# Altium PCB V5_BASE_V17.PcbDoc (part 2 of 2)
Units mm, origin at the board's own origin, x right, y up, seen from the top; angles counter-clockwise.
Board outline 76 x 39 mm, 4 copper layers (Top Layer, Signal Layer 1, Signal Layer 2, Bottom Layer), stack 1.183 mm thick; 141 components, 216 nets, 784 pads, 332 vias.
Unrouted connection lines stored in the file: 1.
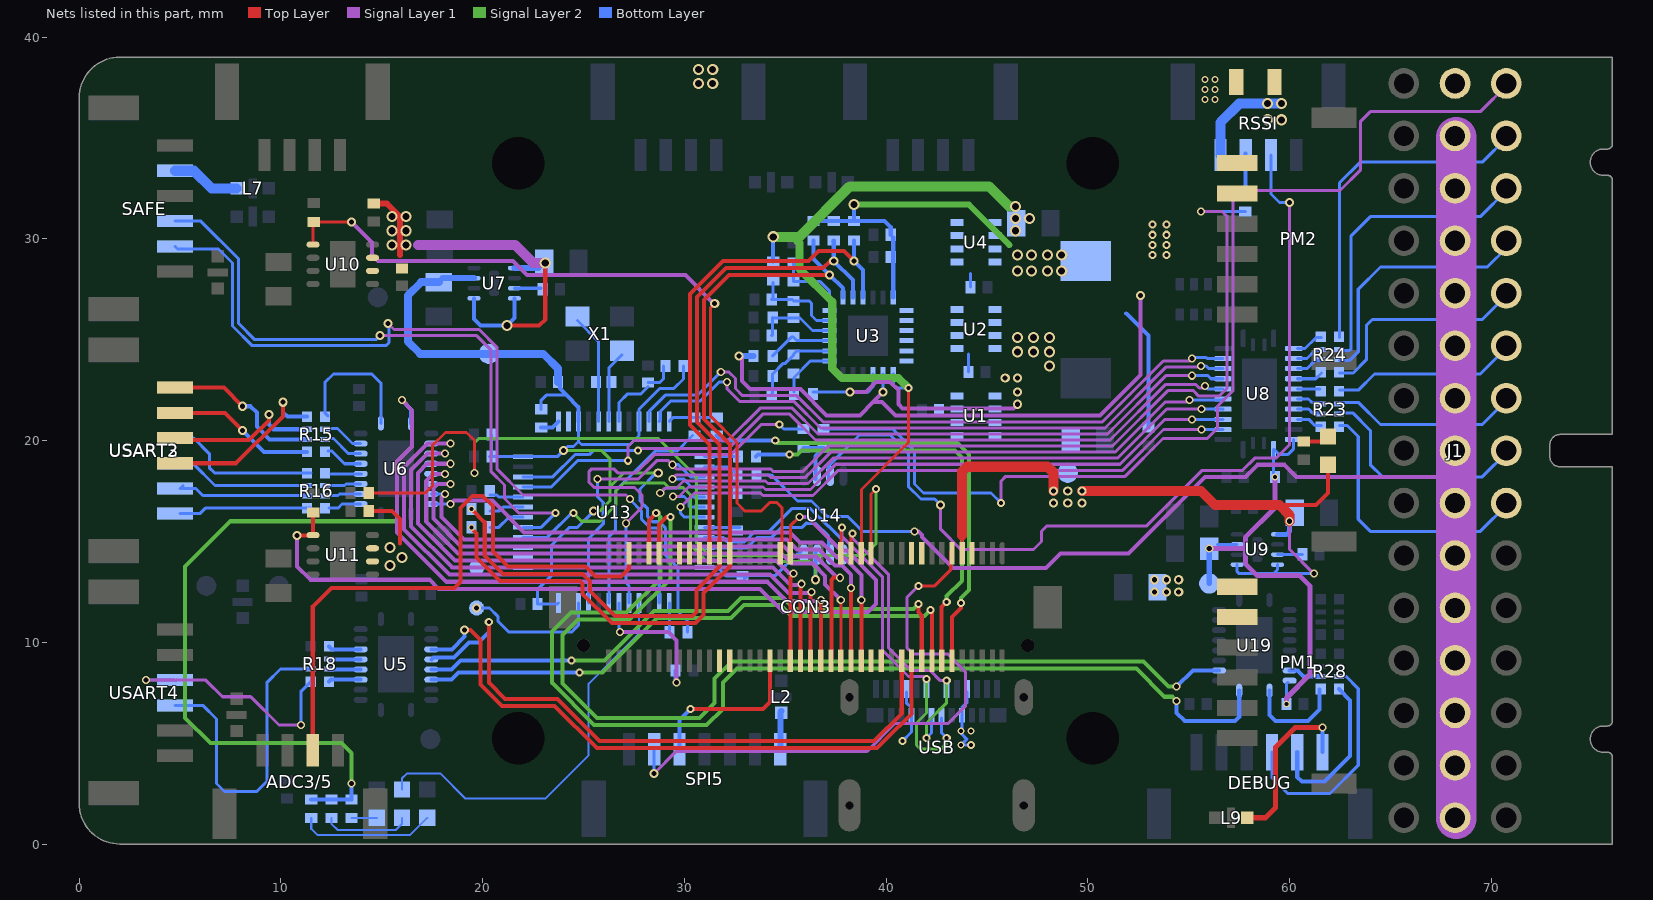
[diagram p4: the nets of this part, all layers, seen from the top]

## Via types
v1: diameter 0.4, hole 0.25, Top Layer to Bottom Layer, tented both sides, 112 vias
v2: diameter 0.45, hole 0.25, Top Layer to Bottom Layer, tented both sides, 65 vias
v3: diameter 0.55, hole 0.35, Top Layer to Bottom Layer, tented both sides, 49 vias
v4: diameter 0.35, hole 0.2, Top Layer to Bottom Layer, tented both sides, 42 vias
v5: diameter 0.4, hole 0.2, Top Layer to Bottom Layer, tented both sides, 37 vias
v6: diameter 0.4, hole 0.2, Top Layer to Bottom Layer, 23 vias
v7: diameter 0.6, hole 0.4, Top Layer to Bottom Layer, tented both sides, 4 vias

## Nets (pads, with @x,y where several pads share a name; then routed paths per layer and width w, separated by ;. In a path a pad name is that pad's centre, name@x,y a point inside that pad or via, vN(x,y) a via of type N, cw(c..) or ccw(c..) an arc to the next point about the centre after c; other vN are vias at no path point) (continued)
IO2_3V3: C17.2 C28.1 C51.2 pad.6 U8.23 U8.24 U9.7 U19.19 | length 23.4
  Signal Layer 1 w0.15: 57.639,14.639 57.8,14.8
  Signal Layer 1 w0.25: v1(56.013,14.639) 57.639,14.639 ; v4(59.275,18.2) 59.275,16.675 57.8,15.2 57.8,14.8 57.8,13.9 58.4,13.3 60.5,13.3 61,12.8 61,8.4 59.839,7.239 v4(59.839,6.936)
  Bottom Layer w0.15: C28.1@56.424,14.85 U9.7@57.4,14.85 ; C17.2@59.208,18.367 U8.24@59.208,19.553 59.247,19.553 59.5,19.3 59.9,19.3 60.199,19.599 U8.23@60.199,20.061 ; v4(59.839,6.936) 59.839,7.939 U19.19@59.905,8.005
  Bottom Layer w0.25: pad.6@56.013,12.913 v1(56.013,14.639)
IO-!RESET: C40.1 R17.1 U13.7 | length 4.2
  Bottom Layer w0.15: U13.7@26.75,20.95 26.75,21.886 27.164,22.3 27.825,22.3 C40.1@28.2,22.675 ; C40.1@28.2,22.875 28.775,22.875 28.95,23.05 R17.1@28.95,23.7
IO-!VDD_SERVO_IN_FAULT: U13.38
IO-BOOT0: R39.2 U13.44 | length 1.7
  Bottom Layer w0.15: R39.2@20.35,17.3 20.7,17.3 20.8,17.2 U13.44@22,17.2
IO-BOOT1: R35.1 U13.20 | length 1.8
  Bottom Layer w0.15: U13.20@31,15.7 R35.1@32.75,15.7
IO-CH1: U8.10 U13.10 | length 32.4
  Signal Layer 1 w0.15: v1(31.8,23.4) 32.201,23.4 32.525,23.076 32.525,22.575 32.875,22.225 35.57,22.225 36.87,20.925 50.725,20.925 53.739,23.939 55.039,23.939 v1(55.164,24.064)
  Bottom Layer w0.15: U13.10@28.25,20.95 28.25,21.45 29.05,22.25 30.65,22.25 31.6,23.2 v1(31.8,23.4) ; v1(55.164,24.064) 55.225,24.125 55.839,24.125 55.9,24.064 U8.10@56.696,24.064
IO-CH2: U8.9 U13.11 | length 31.5
  Signal Layer 1 w0.15: v1(32.1,22.9) 32.1,22.576 32.751,21.925 35.446,21.925 36.746,20.625 50.849,20.625 53.863,23.639 55.539,23.639 v1(55.6,23.7)
  Bottom Layer w0.15: U13.11@28.75,20.95 28.8,21 28.8,21.438 29.312,21.95 30.774,21.95 31.724,22.9 v1(32.1,22.9) ; v1(55.6,23.7) 55.864,23.7 56,23.564 U8.9@56.696,23.564
IO-CH3: U8.8 U13.45 | length 38.5
  Signal Layer 1 w0.15: v5(27.2,19) 27.2,19.7 27.5,20 32.151,20 33.776,21.625 35.322,21.625 36.622,20.325 50.974,20.325 53.862,23.214 v1(55.164,23.214)
  Bottom Layer w0.15: U13.45@22,17.7 23.4,17.7 24.7,19 v5(27.2,19) ; v1(55.164,23.214) 55.95,23.214 56.1,23.064 U8.8@56.696,23.064
IO-CH4: U8.7 U13.46 | length 37.9
  Signal Layer 1 w0.15: v5(27.7,19.5) 27.8,19.6 32.176,19.6 33.901,21.325 35.197,21.325 36.497,20.025 51.098,20.025 53.862,22.789 55.335,22.789 55.524,22.6 55.7,22.6 v1(55.8,22.7)
  Bottom Layer w0.15: U13.46@22,18.2 23.476,18.2 24.576,19.3 25.276,19.3 25.476,19.5 v5(27.7,19.5) ; v1(55.8,22.7) 55.936,22.564 U8.7@56.696,22.564
IO-CH5: U8.6 U13.16 | length 30.9
  Signal Layer 1 w0.15: v1(29.4,18.1) 29.6,18.3 34.138,18.3 34.263,18.175 35.999,18.175 37.249,19.425 51.346,19.425 53.821,21.9 54.928,21.9 v1(55.028,22) v1@55.128,22.1
  Bottom Layer w0.15: v1(29.4,18.1) 29.949,18.1 30.35,17.7 U13.16@31,17.7 ; v1(55.028,22) 56.633,22 U8.6@56.696,22.064
IO-CH6: U8.5 U13.17 | length 32.2
  Signal Layer 1 w0.15: v1(28.8,17.4) 29.05,17.65 29.601,17.65 29.951,18 34.014,18 34.139,17.875 36.124,17.875 37.374,19.125 51.471,19.125 53.909,21.564 v1(55.636,21.564)
  Bottom Layer w0.15: v1(28.8,17.4) 29.05,17.65 29.975,17.65 30.425,17.2 U13.17@31,17.2 ; v1(55.636,21.564) U8.5@56.696,21.564 ; U8.5@56.696,21.55 U8.5@56.696,21.56
IO-CH7: U8.4 U13.18 | length 30.7
  Signal Layer 1 w0.15: v1(29.425,17.225) 29.725,17.225 30.2,17.7 33.89,17.7 34.015,17.575 36.248,17.575 37.498,18.825 51.595,18.825 53.822,21.052 v1(55.164,21.052)
  Bottom Layer w0.15: v1@29.624,17.225 29.976,17.225 30.225,16.976 30.225,16.749 30.274,16.7 U13.18@31,16.7 ; v1(55.164,21.052) U8.4@56.696,21.052
IO-CH8: U8.3 U13.19 | length 30.3
  Signal Layer 1 w0.15: v1(29.8,16.7) 30.5,17.4 33.766,17.4 33.891,17.275 36.372,17.275 37.622,18.525 51.719,18.525 53.746,20.552 v1(55.636,20.552)
  Bottom Layer w0.15: v1@29.7,16.7 v1(29.8,16.7) 29.8,16.4 30,16.2 U13.19@31,16.2 ; v1(55.636,20.552) U8.3@56.696,20.552
IO-LED_AMBER: D3.2 U13.28 | length 19.9
  Bottom Layer w0.1: D3.2@16,2.7 16,3.25 16.25,3.5 17.896,3.5 19.146,2.25 23.104,2.25 25.25,4.396 25.25,7.95 27.75,10.45 U13.28@27.75,11.95
IO-SWCLK: IO-SWCLK.0 U13.37 | length 2.3
  Bottom Layer w0.15: IO-SWCLK.0@19.7,13.7 U13.37@22,13.7
IO-SWDIO: IO-SWDIO.0 U13.34 | length 6.9
  Bottom Layer w0.15: v2(19.7,11.7) 20.336,11.7 20.75,11.286 20.75,11.05 21.3,10.5 24.4,10.5 24.75,10.85 U13.34@24.75,11.95
IO-SWO: U13.39
IO-USART1_RX_SPECTRUM_DSM: R21.2 U13.31 | length 10.6
  Bottom Layer w0.15: U13.31@26.25,11.95 26.25,15.226 26.575,15.551 26.575,17.499 28.551,19.475 29.625,19.475 R21.2@30.4,20.25
IO-USART1_TX: R42.1 U13.30 | length 7.1
  Signal Layer 1 w0.2: v1(26.8,10.5) 29.2,10.5 29.6,10.1 v1(29.6,8)
  Bottom Layer w0.15: v1@26.75,10.5 U13.30@26.75,11.95
  Bottom Layer w0.2: R42.1@29.55,8.6 29.55,8.05 v1(29.6,8)
IO-VDD_3V3: C18.1 C19.1 C23.2 C35.2 C36.2 C37.2 pad.2 R17.2 R38.2 R44.1 U7.7 U13.3 U13.9 U13.24 U13.36 U13.48 U14.8 | length 65.1
  Signal Layer 2 w0.15: v2(24,19.5) 25.9,19.5 26.3,19.1 26.3,17.7 ; v2(25.5,16.5) 25.8,16.5 26.3,17 26.3,17.7 ; v2(28.7,18.4) 27,18.4 26.3,17.7
  Bottom Layer w0.15: C36.2@20.325,19.2 U13.48@22,19.2 23.7,19.2 24.2,19.7 24.5,19.7 24.75,19.95 ; C36.2@20.425,19.2 C18.1@20.425,20.3 ; R44.1@22.9,21.55 22.9,22 23.15,22.25 24.15,22.25 ; U13.36@23.75,11.95 23.7,11.9 C37.2@22.725,11.9 22.725,12.625 23.4,13.3 23.4,14.8 24.3,15.7 24.7,15.7 v2(25.5,16.5) v2@25.5,16.6 ; U13.3@24.75,20.95 24.75,19.95 ; v2@28.6,18.4 27.8,17.6 27.8,16.999 28.175,16.624 28.175,16.224 28.424,15.975 28.749,15.975 29.05,15.674 29.05,14.325 29.675,13.7 ; R17.2@29.95,23.7 29.95,23.05 29.475,22.575 28.775,22.575 27.75,21.55 U13.9@27.75,20.95 27.75,20.25 27.3,19.8 24.9,19.8 24.75,19.95 ; R38.2@30.15,10.5 30.15,11.05 29.675,11.525 29.675,13.7 ; C23.2@32.875,13.275 32.085,13.275 31.66,13.7 U13.24@31,13.7 29.675,13.7 ; C23.2@32.975,13.275 32.975,13.125 33.15,13.3 34.5,13.3 35.575,14.375 35.674,14.375 U14.8@35.847,14.548
  Bottom Layer w0.2: C35.2@23.825,22.9 23.825,22.575 24.15,22.25 24.75,21.65 U13.3@24.75,20.95
  Bottom Layer w0.3: C19.1@18,28.05 U7.7@19.568,28.05
  Bottom Layer w0.4: C19.1@17.825,27.85 16.95,27.85 16.3,27.2 16.3,24.9 16.9,24.3 pad.2@20.3,24.3 23,24.3 23.725,23.575 C35.2@23.725,22.9
IO_USART2_RX: R34.1 U13.13 | length 1.7
  Bottom Layer w0.15: U13.13@31,19.2 R34.1@32.65,19.2
IO_USART2_TX: R20.1 R21.1 U13.12 | length 2.1
  Bottom Layer w0.15: U13.12@29.25,20.95 29.45,21.15 30.4,21.15 R20.1@31.3,21.15
MO_S1: R24.4 U8.14 | length 1.4
  Bottom Layer w0.15: U8.14@60.399,24.564 60.764,24.564 61.3,25.1 R24.4@61.575,25.1
MO_S2: R24.3 U8.15 | length 1.3
  Bottom Layer w0.15: U8.15@60.399,24.064 60.864,24.064 61.275,24.475 R24.3@61.575,24.475
MO_S3: R24.2 U8.16 | length 1.3
  Bottom Layer w0.15: U8.16@60.399,23.564 60.864,23.564 61.275,23.975 R24.2@61.575,23.975
MO_S4: R24.1 U8.17 | length 1.3
  Bottom Layer w0.15: U8.17@60.399,23.064 61.289,23.064 R24.1@61.575,23.35
MO_S5: R23.4 U8.18 | length 1.1
  Bottom Layer w0.15: U8.18@60.399,22.564 R23.4@61.511,22.564
MO_S6: R23.3 U8.19 | length 1.3
  Bottom Layer w0.15: U8.19@60.399,22.064 60.936,22.064 61.125,21.875 R23.3@61.575,21.875
MO_S7: R23.2 U8.20 | length 1.3
  Bottom Layer w0.15: U8.20@60.399,21.56 60.94,21.56 61.125,21.375 R23.2@61.575,21.375
MO_S8: R23.1 U8.21 | length 1.3
  Bottom Layer w0.15: U8.21@60.399,21.052 60.948,21.052 61.25,20.75 R23.1@61.575,20.75
NetC8_1: C8.1 R4.1 R9.2 U3.2 | length 4.3
  Bottom Layer w0.15: C8.1@34.325,22.3 34.375,22.35 R9.2@34.375,23.2 34.375,23.296 34.904,23.825 35,23.825 35.4,24.225 R4.1@35.4,24.275 35.575,24.45 U3.2@37.2,24.45
NetC10_1: C10.1 R3.1 R8.2 U3.4 | length 4
  Bottom Layer w0.15: C10.1@34.325,25.2 34.375,25.25 R8.2@34.375,26.1 34.4,26.075 R3.1@35.4,26.075 35.725,26.075 36.35,25.45 U3.4@37.2,25.45
NetC11_1: C11.1 R5.1 R6.2 U3.5 | length 4.5
  Bottom Layer w0.15: R5.1@34.4,27.825 34.4,27.075 C11.1@34.325,27 35.325,27 R6.2@35.4,26.925 36.175,26.925 36.3,26.8 36.3,26.2 36.55,25.95 U3.5@37.2,25.95
NetC21_1: C21.1 U7.3 | length 1.3
  Bottom Layer w0.15: U7.3@21.568,27.55 C21.1@22.893,27.55
NetC25_1: C25.1 U9.3 | length 1.2
  Bottom Layer w0.15: U9.3@59.4,14.35 C25.1@60.624,14.35
NetC38_1: C38.1 U13.5 X1.3 | length 5.4
  Bottom Layer w0.15: X1.3@24.7,25.95 25.75,24.9 U13.5@25.75,20.95
NetC39_2: C39.2 U13.6 X1.1 | length 3.6
  Bottom Layer w0.15: U13.6@26.25,20.95 26.25,23.6 X1.1@26.9,24.25
NetD1_1: D1.1 R29.1 | length 6.8
  Bottom Layer w0.1: R29.1@11.5,1.3 11.5,0.75 11.8,0.45 16.4,0.45 D1.1@17.25,1.3
NetD2_1: D2.1 R32.1 | length 1.3
  Bottom Layer w0.1: R32.1@13.5,1.3 D2.1@14.75,1.3
NetD3_1: D3.1 R33.1 | length 4.3
  Bottom Layer w0.1: R33.1@12.5,1.3 12.5,1 12.8,0.7 15.7,0.7 16,1 D3.1@16,1.3
NetD4_2: D4.2 R43.1 | length 1.3
  Top Layer w0.2: R43.1@60.7,19.95 61.65,19.95 D4.2@61.9,20.2
NetDEBUG_1: DEBUG.1 L9.P$2 | length 8.6
  Top Layer w0.254: L9.P$2@57.9,1.3 58.8,1.3 59.3,1.8 59.3,4.8 60.275,5.775 v1(61.625,5.775)
  Bottom Layer w0.2: v1@61.6,5.8 v1(61.625,5.775) DEBUG.1@61.625,4.55
NetL2_P$1: L2.P$1 SPI5.1 | length 1.9
  Bottom Layer w0.3: SPI5.1@34.75,4.7 34.75,6.55 L2.P$1@34.8,6.6
NetR1_1: R1.1 R3.2 U3.3 | length 3.3
  Bottom Layer w0.15: R1.1@34.375,24.2 35.3,25.125 R3.2@35.4,25.125 35.575,24.95 U3.3@37.2,24.95
NetR2_1: R2.1 R4.2 U3.1 | length 2.8
  Bottom Layer w0.15: R2.1@35.425,22.4 35.425,23.125 36.25,23.95 U3.1@37.2,23.95
NetR6_1: R6.1 R7.2 U3.6 | length 3.9
  Bottom Layer w0.15: R7.2@35.425,28.8 35.4,28.775 R6.1@35.4,27.875 36.725,27.875 37.2,27.4 U3.6@37.2,26.45
NetR15_1: R15.1 U6.20 | length 6.8
  Bottom Layer w0.15: R15.1@12.325,21.225 12.175,21.375 12.175,22.875 12.6,23.3 14.5,23.3 14.95,22.85 U6.20@14.95,20.85
NetR15_2: R15.2 U6.18 | length 1.9
  Bottom Layer w0.15: R15.2@12.325,20.6 12.8,20.6 13.55,19.85 U6.18@13.95,19.85
NetR15_3: R15.3 U6.17 | length 1.9
  Bottom Layer w0.15: R15.3@12.325,20.1 12.6,20.1 13.35,19.35 U6.17@13.95,19.35
NetR15_4: R15.4 U6.16 | length 1.9
  Bottom Layer w0.15: R15.4@12.325,19.475 12.525,19.475 13.15,18.85 U6.16@13.95,18.85
NetR16_1: R16.1 U6.15 | length 1.5
  Bottom Layer w0.15: 12.475,18.35 U6.15@14,18.35
NetR16_2: R16.2 U6.14 | length 1.6
  Bottom Layer w0.15: R16.2@12.375,17.775 13.15,17.775 13.225,17.85 U6.14@13.95,17.85
NetR16_3: R16.3 U6.13 | length 1.6
  Bottom Layer w0.15: R16.3@12.375,17.275 12.825,17.275 12.9,17.35 U6.13@13.95,17.35
NetR16_4: R16.4 U6.12 | length 1.7
  Bottom Layer w0.15: R16.4@12.375,16.65 12.825,16.65 13.025,16.85 U6.12@13.95,16.85
NetR18_5: R18.5 U5.17 | length 1.6
  Bottom Layer w0.2: R18.5@12.375,9.8 12.525,9.65 U5.17@13.95,9.65
NetR18_6: R18.6 U5.16 | length 1.6
  Bottom Layer w0.2: R18.6@12.375,9.175 12.4,9.15 U5.16@13.95,9.15
NetR18_7: R18.7 U5.15 | length 1.6
  Bottom Layer w0.2: R18.7@12.375,8.675 12.4,8.65 U5.15@13.95,8.65
NetR18_8: R18.8 U5.14 | length 1.6
  Bottom Layer w0.2: R18.8@12.375,8.05 12.475,8.15 U5.14@13.95,8.15
NetR28_1: R28.1 U19.20 | length 5
  Bottom Layer w0.2: U19.20@59,7.6 59,6.4 59.3,6.1 60.9,6.1 61.475,6.675 R28.1@61.475,7.65
NetR28_2: R28.2 U19.18 | length 1.7
  Bottom Layer w0.2: U19.18@60,8.6 60.4,8.6 60.69,8.31 R28.2@61.539,8.31
NetR36_1: R36.1 U13.42 | length 1.9
  Bottom Layer w0.15: R36.1@20.35,15.7 20.8,15.7 21.3,16.2 U13.42@22,16.2
NetR37_1: R37.1 U13.43 | length 1.7
  Bottom Layer w0.15: R37.1@20.35,16.5 20.8,16.5 21,16.7 U13.43@22,16.7
NetR38_1: R38.1 U13.25 | length 1.4
  Bottom Layer w0.15: R38.1@29.25,10.5 U13.25@29.25,11.95
NPOWER_IN_A: CON3.55 R10.2 R36.2 U3.7 | length 41.5
  Top Layer w0.2: v4@19.4,15.7 19.7,15.4 19.7,14.2 20.854,13.046 23.181,13.046 24.811,13.046 24.957,12.899 24.957,12.404 26.411,10.95 30.545,10.95 30.95,11.355 30.95,12.45 32.246,13.746 CON3.55@32.246,14.408 32.246,19.794 30.975,21.065 30.975,26.975 32.2,28.2 v2(37.2,28.2)
  Bottom Layer w0.2: R10.2@36.4,29.925 36.4,29 v2(37.2,28.2) 37.85,27.55 U3.7@37.85,27.1
  other v4: 19.45,15.7
NPOWER_IN_B: CON3.57 R11.2 R37.2 U3.8 | length 42
  Top Layer w0.2: v4(19.45,16.6) 20.1,15.95 20.1,14.295 20.999,13.396 23.036,13.396 24.956,13.396 25.307,13.044 25.307,12.549 26.556,11.3 30.4,11.3 30.6,11.5 30.6,12.6 31.746,13.746 CON3.57@31.746,14.408 31.746,19.799 30.625,20.92 30.625,27.12 32.055,28.55 36.878,28.55 37.228,28.9 v2(37.4,28.9)
  Bottom Layer w0.15: R11.2@37.35,29.875 R11.2@37.4,29.925
  Bottom Layer w0.2: R11.2@37.4,29.925 v2(37.4,28.9) 38.35,27.95 U3.8@38.35,27.1
NPOWER_IN_C: CON3.59 R12.2 U3.9 | length 25.5
  Top Layer w0.2: CON3.59@31.246,14.408 31.246,19.804 30.275,20.775 30.275,27.265 31.91,28.9 36.15,28.9 36.65,29.4 37.9,29.4 v2(38.4,28.9)
  Bottom Layer w0.2: R12.2@38.4,29.925 v2(38.4,28.9) 38.85,28.45 U3.9@38.85,27.1
NRST: CON3.7
NSAFETY_SWITCH_LED: CON3.28
NSPI5_RESET_EXTERNAL1: CON3.58
NVDD_5V_HIPOWER_OC: CON3.45 R13.1 U10.5 | length 38.6
  Top Layer w0.15: U10.5@11.589,29.711 11.589,30.789 R13.1@11.625,30.825 v2(13.5,30.825) ; v2@31.4,26.8 v2(31.5,26.8) 31.3,26.6 31.3,21.2 32.6,19.9 32.6,16.9 33,16.5 33.799,16.5 34.224,16.925 34.576,16.925 34.825,16.676 34.825,14.487 CON3.45@34.746,14.408
  Signal Layer 1 w0.2: v2(13.5,30.825) 14.5,29.825 14.5,29.2 14.8,28.9 21.5,28.9 22.2,28.2 30.05,28.2 31.45,26.8 v2(31.5,26.8)
NVDD_5V_PERIPH_EN: CON3.27 R30.2 | length 41.5
  Top Layer w0.15: R30.2@14.35,17.4 17.15,17.4 17.5,17.75 17.5,19.75 18.15,20.4 19.2,20.4 19.6,20 v1(19.6,18.4) ; CON3.27@39.247,14.408 39.247,17.347 v5(39.5,17.6)
  Signal Layer 2 w0.15: v1(19.6,18.4) 19.6,19.9 19.798,20.098 28.703,20.098 30.6,18.201 30.6,14.924 31.224,14.3 38.9,14.3 39.5,14.9 v5(39.5,17.6)
NVDD_5V_PERIPH_OC: CON3.43 R14.1 U11.5 | length 41.6
  Top Layer w0.15: CON3.43@35.246,14.408 35.246,15.771 35.7,16.225 v1(35.7,16.2)
  Top Layer w0.2: v2(10.8,15.3) 11.578,15.3 U11.5@11.589,15.311 ; U11.5@11.589,15.411 R14.1@11.589,16.564
  Signal Layer 1 w0.2: v2(10.8,15.3) 10.8,13.762 11.462,13.1 17.361,13.1 17.811,12.65 25.654,12.65 33.75,12.65 34.9,11.5 39.1,11.5 39.5,11.9 39.5,13.095 38.045,14.55 37.751,14.55 36.101,16.2 v1(35.7,16.2)
OTG_N: CON3.33 USB.A7 USB.B7 | length 17.6
  Top Layer w0.15: CON3.33@37.749,14.408 v5@37.749,15.8
  Signal Layer 1 w0.15: v5(37.8,15.7) 37.8,15.255 39.825,13.23 39.825,9.591 41.108,8.308 41.875,8.308 v5(42,8.183)
  Signal Layer 2 w0.15: v5(42,8.183) 42,6.5 41.5,6 41.5,4.9 41.7,4.7 42.7,4.7 43,5 v5(43,5.25)
  Bottom Layer w0.15: USB.B7@42.75,6.235 42.75,5.5 v5(43,5.25)
OTG_P: CON3.31 USB.A6 USB.B6 | length 15.3
  Top Layer w0.15: CON3.31@38.257,14.408 v5@38.257,15.332
  Signal Layer 1 w0.15: v5(38.325,15.4) 38.325,15.154 40.125,13.354 40.125,9.715 41.233,8.608 42.176,8.608 42.684,8.1 42.9,8.1 v5(43,8.1)
  Signal Layer 2 w0.15: v5(42,5.25) 42,6 43,7 v5(43,8.1)
  Bottom Layer w0.15: v5(42,5.25) 42.25,5.5 USB.B6@42.25,6.235
OUT1: J1.2 R24.5 | length 16.9
  Bottom Layer w0.15: R24.5@62.475,25.1 62.475,32.775 63.5,33.8 69.551,33.8 J1.2@70.799,35.048
OUT2: J1.3 R24.6 | length 14.9
  Bottom Layer w0.15: R24.6@62.475,24.475 62.975,24.475 63.05,24.55 63.05,30.15 64,31.1 69.451,31.1 J1.3@70.799,32.448
OUT3: J1.4 R24.7 | length 12.7
  Bottom Layer w0.15: R24.7@62.475,23.975 62.975,23.975 63.4,24.4 63.4,27.5 64.5,28.6 69.8,28.6 70.799,29.599 J1.4@70.799,29.848
OUT4: J1.5 R24.8 | length 10.9
  Bottom Layer w0.15: R24.8@62.475,23.35 63.15,23.35 63.8,24 63.8,25.7 64.1,26 69.551,26 J1.5@70.799,27.248
OUT5: J1.6 R23.5 | length 9.2
  Bottom Layer w0.15: R23.5@62.475,22.5 63.4,22.5 64.2,23.3 69.451,23.3 J1.6@70.799,24.648
OUT6: J1.7 R23.6 | length 9.3
  Bottom Layer w0.15: R23.6@62.475,21.875 63.425,21.875 64.5,20.8 69.551,20.8 J1.7@70.799,22.048
OUT7: J1.8 R23.7 | length 11.2
  Bottom Layer w0.15: R23.7@62.475,21.375 63.125,21.375 64,20.5 64,18.8 64.6,18.2 69.551,18.2 J1.8@70.799,19.448
OUT8: J1.9 R23.8 | length 13.5
  Bottom Layer w0.15: R23.8@62.475,20.75 62.85,20.75 63.4,20.2 63.4,16.1 64,15.5 69.451,15.5 J1.9@70.799,16.848
PPM_INPUT: R53.2 U13.29 | length 21
  Signal Layer 1 w0.15: v1(27.1,15.9) 27.9,16.7 27.9,17.3 27.525,17.675 25.524,17.675 25.275,17.924 25.275,18.475 25.4,18.6 26.5,18.6 26.7,18.4 27.6,18.4 28.5,19.3 32.3,19.3 33.8,20.8 v6(34.7,20.8)
  Bottom Layer w0.15: v1(27.1,15.9) 27.1,12.95 27.25,12.8 U13.29@27.25,11.95 ; v6(34.7,20.8) 34.925,20.575 R53.2@35.9,20.575
RC_IN: R50.2 R53.1 U14.2 | length 2.7
  Bottom Layer w0.2: R53.1@35.9,19.625 R50.2@36.9,19.625 36.497,19.222 U14.2@36.497,18.098
RC_IN_PORT: J1.1 R50.1 | length 53.2
  Signal Layer 1 w0.15: v6(45.7,16.9) 45.7,18 45.925,18.225 51.843,18.225 53.718,20.1 55.916,20.1 56.424,20.608 56.424,21.7 57.2,22.476 57.2,31.9 57.7,32.4 62.5,32.4 63.5,33.4 63.5,35.8 64,36.3 69.451,36.3 J1.1@70.799,37.648
  Bottom Layer w0.15: R50.1@36.9,20.575 40.325,20.575 41.4,19.5 41.4,17.85 41.85,17.4 45.2,17.4 v6(45.7,16.9)
RC_VCC: J1.RC_VCC L1.1 RSSI.1 | length 5
  Bottom Layer w0.5: RSSI.1@56.575,34.15 56.575,35.775 57.5,36.7 v3(58.9,36.7) v3(59.6,36.7)
  other v3: 58.9,35.9 59.6,35.9
RSSI: R22.2 RSSI.2 | length 2
  Bottom Layer w0.2: R22.2@57.8,32.25 RSSI.2@57.8,34.226
RSSI_IN: R22.1 U13.15 U13.33 | length 54.3
  Signal Layer 1 w0.15: v1(25.7,18.1) 27.724,18.1 28.624,19 29.2,19 v1(29.4,18.8) 29.6,18.6 34.263,18.6 34.388,18.475 35.875,18.475 37.125,19.725 51.222,19.725 53.986,22.489 55.211,22.489 55.5,22.2 56.5,22.2 56.9,22.6 56.9,31.1 56.65,31.35 v1(55.6,31.35)
  Bottom Layer w0.15: U13.33@25.25,11.95 25.25,15.15 25.975,15.875 25.975,16.925 25.7,17.2 v1(25.7,18.1) ; v1(29.4,18.8) 29.7,18.8 30.3,18.2 U13.15@31,18.2 ; v1(55.6,31.35) R22.1@57.8,31.35
RSSI_IN_CHANNEL: CON3.26
SAFE_VCC: L7.P$2 SAFE.2 | length 3.4
  Bottom Layer w0.5: SAFE.2@4.75,33.375 5.676,33.375 6.551,32.5 L7.P$2@7.8,32.5
SAFETY: SAFE.4 U13.41 | length 32.7
  Signal Layer 1 w0.15: v2(14.9,25.2) 19.7,25.2 20.4,24.5 20.4,18.476 21.076,17.8 21.076,17.124 21.8,16.4 v5(23.6,16.4)
  Bottom Layer w0.15: SAFE.4@4.75,30.875 6.025,30.875 7.9,29 7.9,25.8 8.7,25 14.7,25 v2(14.9,25.2) ; U13.41@22,15.7 22.9,15.7 v5(23.6,16.4)
SAFETY_KEY: CON3.17
SAFETY_LED: SAFE.5 U13.26 | length 40.6
  Signal Layer 1 w0.15: v2(15.3,25.8) 15.6,25.5 19.824,25.5 20.7,24.624 20.7,18.6 22,17.3 27.1,17.3 v1(27.3,17.1)
  Bottom Layer w0.15: SAFE.5@4.75,29.625 4.875,29.5 6.9,29.5 7.6,28.8 7.6,25.676 8.576,24.7 8.7,24.7 15.2,24.7 15.35,24.85 15.35,25.75 v2(15.3,25.8) ; v1(27.3,17.1) 27.3,17.075 27.875,16.5 27.875,16.1 28.3,15.675 28.625,15.675 28.75,15.55 U13.26@28.75,11.95
SBUS_INPUT: U13.22 U14.6 | length 7.6
  Bottom Layer w0.15: U13.22@31,14.7 31.025,14.675 33.099,14.675 33.624,15.2 34.324,15.2 34.824,15.7 35.834,15.7 36.034,15.9 36.5,15.9 37.147,15.253 U14.6@37.147,14.548
SBUS_OUTPUT: U13.21 U14.5 | length 8.8
  Bottom Layer w0.15: U13.21@31,15.2 31.9,15.2 32.125,14.975 32.975,14.975 33.5,15.5 34.2,15.5 35.325,16.625 36.251,16.625 37.101,15.775 37.125,15.775 37.375,15.525 ; 37.375,15.524 37.624,15.275 ; 37.625,15.275 37.797,15.103 U14.5@37.797,14.548
SBUS_OUTPUT_EN: U13.40 U14.7 | length 21.8
  Signal Layer 2 w0.15: v5(24.5,16.4) 24.9,16 25.8,16 26.6,16.8 26.6,17.5 27,17.9 28.999,17.9 29.224,17.675 29.925,17.675 30.3,17.3 30.3,14.8 31.1,14 36.2,14 36.5,13.7 v2(36.5,13.1)
  Bottom Layer w0.15: U13.40@22,15.2 23.2,15.2 24.5,16.5 v5(24.5,16.4)
  Bottom Layer w0.2: U14.7@36.497,14.548 36.5,14.545 v2(36.5,13.1)
SBUS_OUTPUT_PROT: RSSI.3 U14.3 | length 45.6
  Signal Layer 1 w0.15: v2(42.7,16.8) 42.7,15.6 43.7,14.6 47.3,14.6 47.7,15 47.7,15.5 47.975,15.775 52.915,15.775 55.665,18.525 57.665,18.525 58.265,19.125 59.325,19.125 60,19.8 v2(60,31.8)
  Bottom Layer w0.15: U14.3@37.147,18.098 37.147,18.747 38.675,20.275 40.201,20.275 41.1,19.376 41.1,17.726 41.726,17.1 42.4,17.1 v2(42.7,16.8) ; RSSI.3@59.075,34.15 59.075,32.225 59.5,31.8 v2(60,31.8)
SCALED_V5_CH_IN: ADC3/5.3 CON3.75 | length 31.1
  Top Layer w0.2: ADC3/5.3@11.575,4.65 11.575,11.775 12.5,12.7 18.6,12.7 18.9,13 18.9,16.651 19.499,17.25 20,17.25 20.5,16.75 20.5,14.5 21.25,13.75 25.096,13.75 25.596,13.25 26.85,13.25 27.246,13.646 CON3.75@27.246,14.408
SERVO_G: U2.2 U2.4 U3.15
SERVO_VCC: "J1.SERVO VCC" R40.1 | length 72.8
  Signal Layer 1 w0.2: v1(41.4,15.5) 41.6,15.5 41.775,15.325 41.775,15.217 43.317,13.675 47.911,13.675 48.636,14.4 52,14.4 55.8,18.2 57.8,18.2 58.4,18.8 59.734,18.8 60.334,18.2 68.259,18.2
  Signal Layer 1 w2: 68.259,1.248 68.259,9.1 68.259,14.3 68.259,18.2 68.259,22.1 68.259,35.048
  Bottom Layer w0.15: R40.1@33.575,18.3 34.3,18.3 35.6,17 36.3,17 37.054,16.246 38.08,16.246 38.826,15.5 v1(41.4,15.5)